# Altium PCB Battery_ECU.PcbDoc
Units mil, origin at the board's own origin, x right, y up, seen from the top; angles counter-clockwise.
Board outline 2290 x 1900 mil, 2 copper layers (Top Layer, Bottom Layer); 23 components, 27 nets, 115 pads, 0 vias.
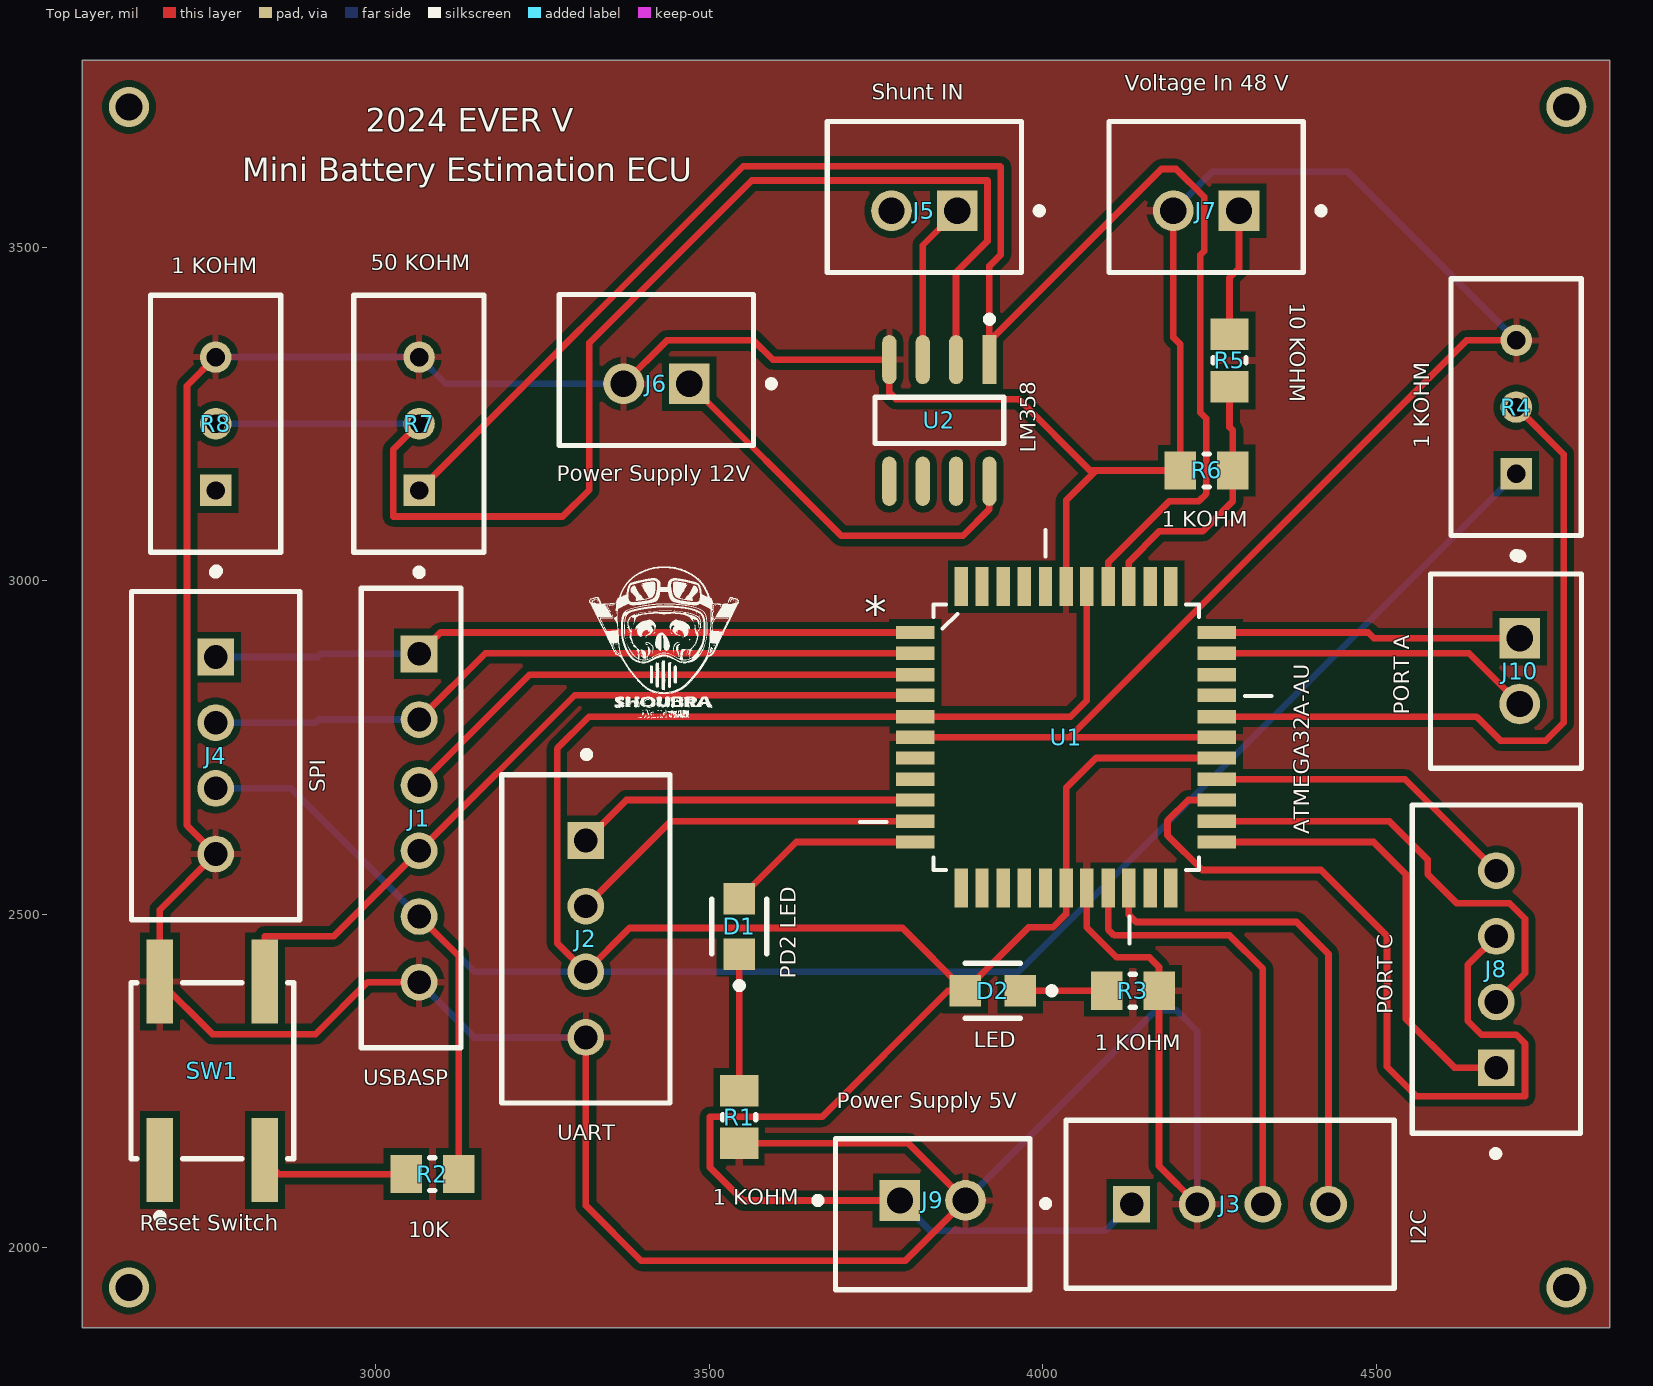
[diagram p0: Top Layer view]
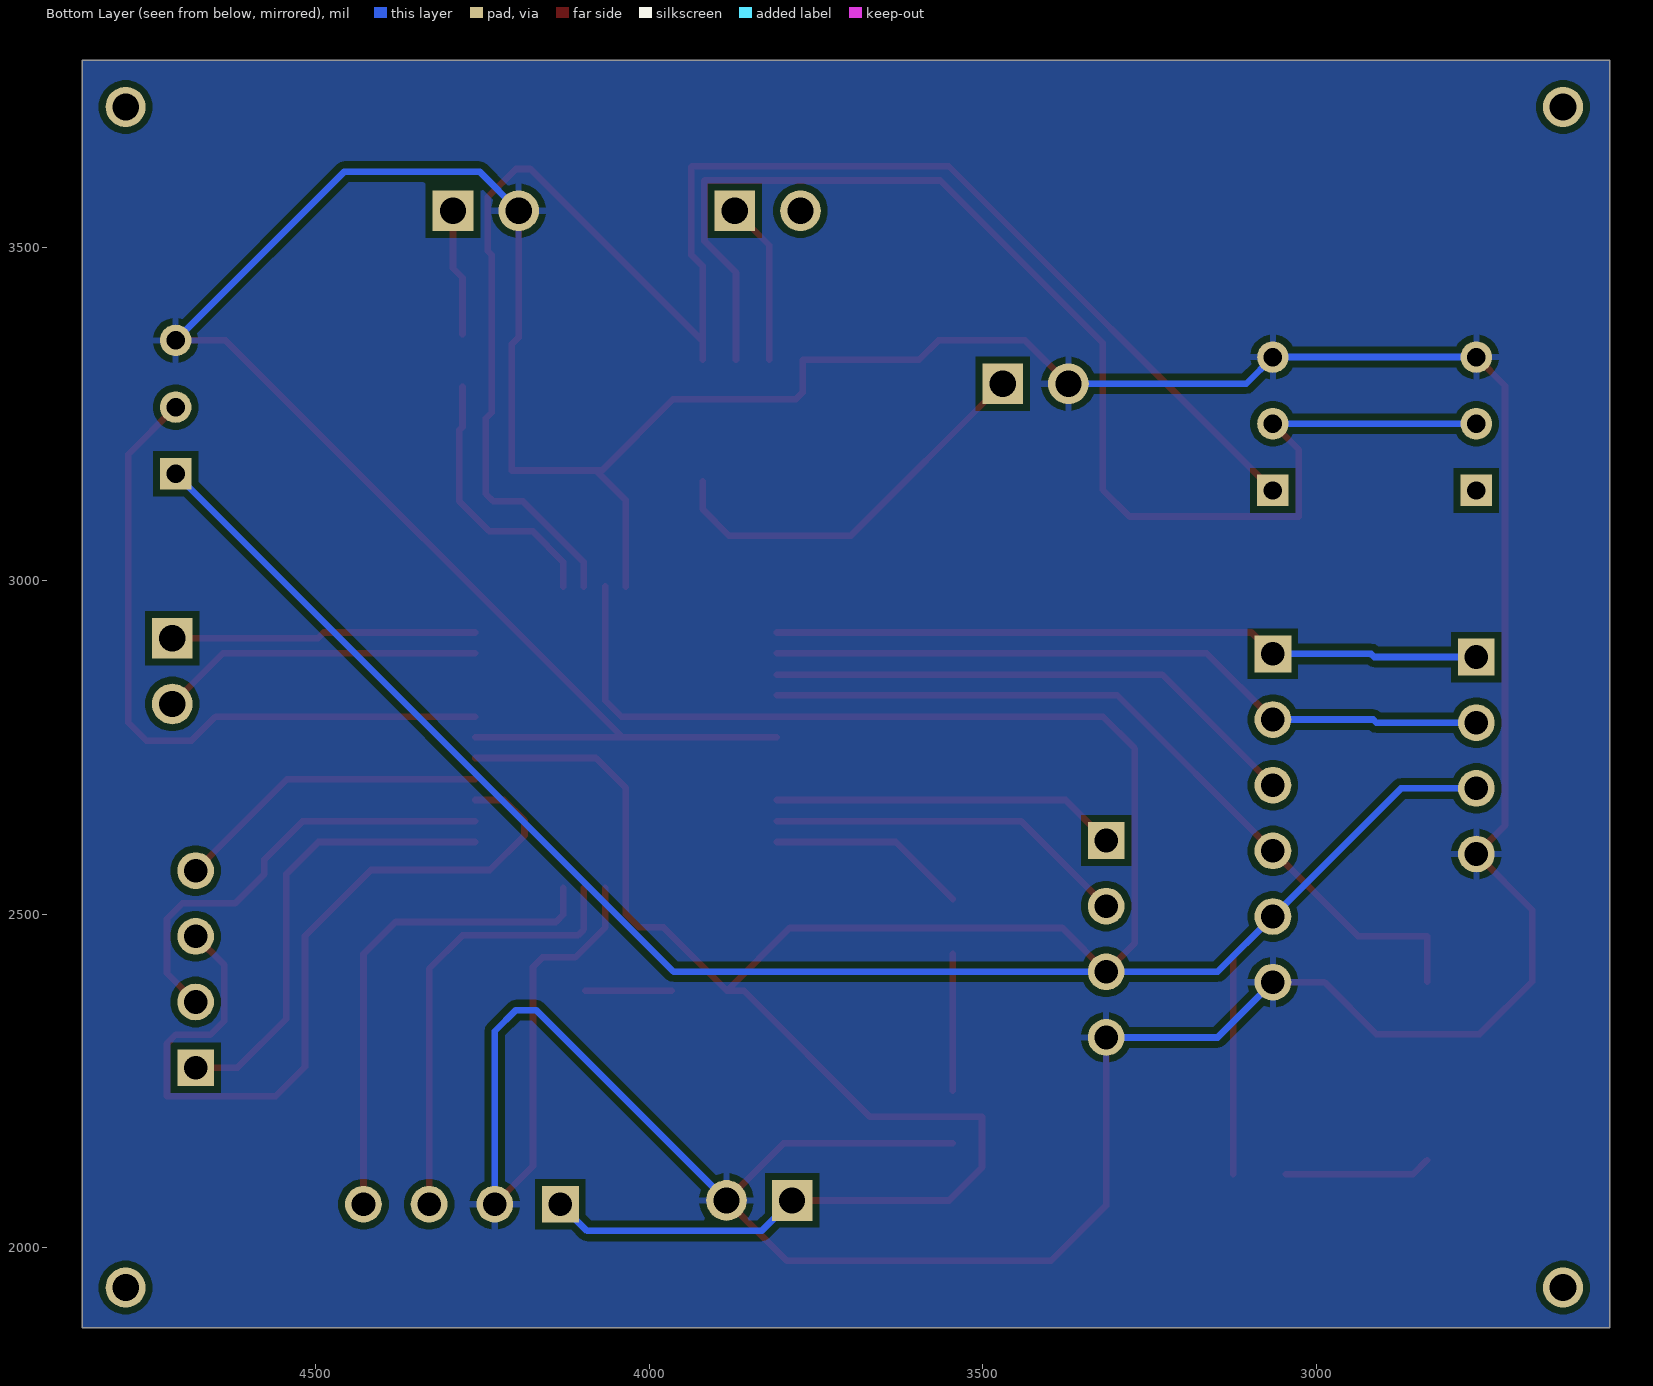
[diagram p1: Bottom Layer view, seen from below]
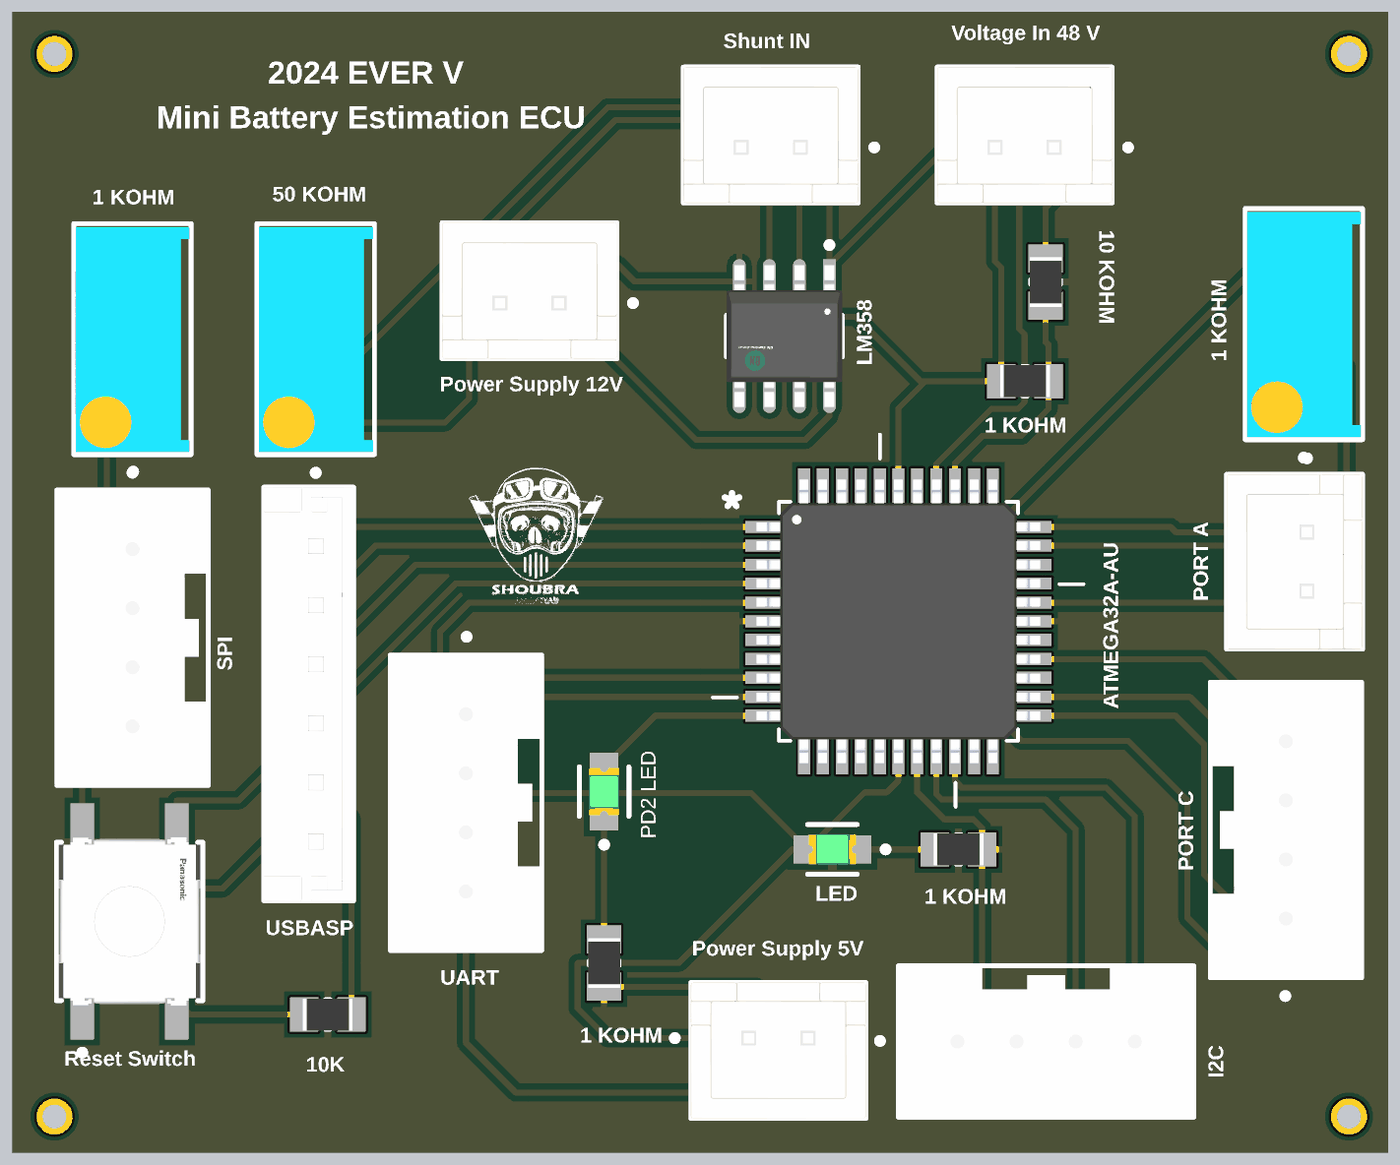
[diagram p2: 3D render of the assembled board from above, using the file's embedded part models]

## Layer stack, top to bottom
Top Solder: solder mask 0.4, Solder Resist, Dk 3.5
Top Layer: signal copper 1.4
Dielectric 1: dielectric 12.6, FR-4, Dk 4.8
Bottom Layer: signal copper 1.4
Bottom Solder: solder mask 0.4, Solder Resist, Dk 3.5

## Board outline
2560,1880 4850,1880 4850,3780 2560,3780

## Design rules (kind name [scope] priority, off if disabled: settings)
Clearance [All] p1: gap=10 ignorepadtopadclearanceinfootprint=FALSE except(0: Arc-Hole Track-Hole SMDPad-Hole THPad-Hole Via-Hole Fill-Hole Poly-Hole Region-Hole Text-Hole)
PolygonConnect [All] p1: connectstyle=Relief reliefconductorwidth=10 reliefentries=4 polygonreliefangle="90 Angle" airgapwidth=10
RoutingVias [All] p1: holewidth=28 width=50 viastyle="Through Hole" minholewidth=28 minwidth=50 maxholewidth=28 maxwidth=50
SolderMaskExpansion [All] p1: expansion=4 istentingtop=FALSE
Width [All] p1: maxlimit=15 minlimit=10 preferedwidth=10
30 further rules are at their usual default settings.

## Components (designator, comment, footprint, x,y, rotation, side; value= is the part's Value field where it differs from the comment)
D1 "LED" FP-LTST-C171GKT-MFG 3545,2481.34 r90 top
D2 "PD2 LED" FP-LTST-C171GKT-MFG 3925,2385 r180 top
J1 "USBASP" FP-B6B-EH-A_LF_SN-MFG 3053.19,2643.94 r270 top
J2 "UART" FP-B04B-XASK-1_LF_SN-MFG 3315,2462.64 r90 top
J3 "I2C" FP-B04B-XASK-1_LF_SN-MFG 4280.79,2065 r180 top
J4 "SPI" FP-B04B-XASK-1_LF_SN-MFG 2760,2737.64 r90 top
J5 "Shunt IN" FP-B2B-XH-A_LF_SN-MFG 3822.5,3575 r180 top
J6 "Power Supply 12V" FP-B2B-XH-A_LF_SN-MFG 3420.79,3315.67 r180 top
J7 "Voltage In 48 V" FP-B2B-XH-A_LF_SN-MFG 4245,3575 r180 top
J8 "PORT C" FP-B04B-XASK-1_LF_SN-MFG 4680,2417.36 r270 top
J9 "Power Supply 5V" FP-B2B-XH-A_LF_SN-MFG 3835,2050 r0 top
J10 "PORT A" FP-B2B-XH-A_LF_SN-MFG 4694.33,2864.21 r270 top
R1 "1 KOHM" RESC2013X60X35ML10T20 3545,2195.63 r270 top
R2 "10K" RESC2013X60X35ML10T20 3085,2110 r0 top
R3 "1 KOHM" RESC2013X60X35ML10T20 4135,2385 r0 top
R4 "1 KOHM" FP-3296W-MFG 4709.8,3260 r270 top value=500kΩ
R5 "10 KOHM" RESC2013X60X35ML10T20 4280,3330 r90 top
R6 "1 KOHM" RESC2013X60X35ML10T20 4245.63,3165 r0 top
R7 "50 KOHM" FP-3296W-MFG 3064.8,3235 r270 top value=500kΩ
R8 "1 KOHM" FP-3296W-MFG 2759.8,3235 r270 top value=500kΩ
SW1 "Reset Switch" FP-EVQQ2Y02W-MFG 2755,2265 r270 top
U1 "ATMEGA32A-AU" QFP80P1200X1200X120-44N 4035,2765 r0 top
U2 "LM358" FP-751-07-IPC_C 3845,3240 r270 top

## Footprints (in the part's own frame and the unit in brackets; to place one, negate y for a bottom-side part, rotate by r counter-clockwise, add the part's x,y. Pads: shape width x height; smd on the part's side, far side on the other; paste and mask are expansions set on the pad)
FP-751-07-IPC_C [mil]
  rect 73.78x21.39 smd paste+0 mask+0: 1(-91.18,75)
  rrect100% 73.78x21.39 smd paste+0 mask+0: 2(-91.18,25) 3(-91.18,-25) 4(-91.18,-75) 5(91.18,-75) 6(91.18,-25) 7(91.18,25) 8(91.18,75)
  silkscreen extent -157,-96 35,96, body extent -132,-100 132,100, height 10
FP-3296W-MFG [mm]
  rect 1.2x1.2 hole 0.7 paste-1000 mask+0: 1(2.54,0.005)
  round 1.2 hole 0.7 paste-1000 mask+0: 2(0,0.005) 3(-2.54,0.005)
  silkscreen extent -4.89,-2.48 5.77,2.48, body extent -4.99,-2.58 4.99,2.58, height 0.25
FP-B2B-XH-A_LF_SN-MFG [mm]
  rect 1.55x1.55 hole 1 paste-1000 mask+0: 1(-1.25,0.525)
  round 1.55 hole 1 paste-1000 mask+0: 2(1.25,0.525)
  silkscreen extent -4.5,-2.88 3.7,2.87, body extent -3.8,-2.98 3.8,2.98, height 0.25
FP-B04B-XASK-1_LF_SN-MFG [mm]
  rect 1.4x1.4 hole 0.9 paste-1000 mask+0: 1(3.75,0)
  round 1.4 hole 0.9 paste-1000 mask+0: 2(1.25,0) 3(-1.25,0) 4(-3.75,0)
  silkscreen extent -6.25,-3.2 7.15,3.2, body extent -6.35,-3.3 6.35,3.3, height 0.25
FP-B6B-EH-A_LF_SN-MFG [mm]
  rect 1.4x1.4 hole 0.9 paste-1000 mask+0: 1(-6.25,0.3)
  round 1.4 hole 0.9 paste-1000 mask+0: 2(-3.75,0.3) 3(-1.25,0.3) 4(1.25,0.3) 5(3.75,0.3) 6(6.25,0.3)
  silkscreen extent -9.47,-1.9 8.75,1.9, body extent -8.85,-2 8.85,2, height 0.25
FP-EVQQ2Y02W-MFG [mm]
  rect 3.2x1 smd paste+0 mask+0: A(3.4,-2) A'(-3.4,-2) B(3.4,2) B'(-3.4,2)
  silkscreen extent -3.35,-3.1 5.67,3.1, body extent -5.1,-3.2 5.1,3.2, height 0.25
FP-LTST-C171GKT-MFG [mm]
  rect 1.2x1.2 smd paste+0 mask+0: 1(-1.05,0) 2(1.05,0)
  silkscreen extent -2.37,-1.05 1.05,1.05, body extent -1.75,-0.77 1.75,0.77, height 0.25
QFP80P1200X1200X120-44N [mil]
  rect 58x20 smd: 1(-226,157) 2(-226,126) 3(-226,94) 4(-226,63) 5(-226,31) 6(-226,0) 7(-226,-31) 8(-226,-63) 9(-226,-94) 10(-226,-126) 11(-226,-157) 23(226,-157) 24(226,-126) 25(226,-94) 26(226,-63) 27(226,-31) 28(226,0) 29(226,31) 30(226,63) 31(226,94) 32(226,126) 33(226,157)
  rect 20x58 smd: 12(-157,-226) 13(-126,-226) 14(-94,-226) 15(-63,-226) 16(-31,-226) 17(0,-226) 18(31,-226) 19(63,-226) 20(94,-226) 21(126,-226) 22(157,-226) 34(157,226) 35(126,226) 36(94,226) 37(63,226) 38(31,226) 39(0,226) 40(-31,226) 41(-63,226) 42(-94,226) 43(-126,226) 44(-157,226)
  silkscreen extent -309,-309 308,311, body extent -236,-236 236,236, height 47
RESC2013X60X35ML10T20 [mm] "Chip Resistor, 2-Leads, Body 2.1x1.35mm, IPC Low Density"
  rect 1.2x1.45 smd: 1(-1,0) 2(1,0)
  silkscreen extent -0.1,-0.62 0.1,0.62, body extent -1.05,-0.68 1.05,0.67, height 0.6

## Part data
D1 D2: library part CMP-22017-000007-1, "LED GREEN CLEAR CHIP SMD", Case Code (Imperial)=0805, Case Code (Metric)=2012, Color=Green, Forward Current=30mA, Forward Voltage=2.1V, Lens Color=Colorless, Max Operating Temperature=85°C, Min Operating Temperature=-55°C, Package Quantity=1, Power Dissipation=100mW, Reverse Voltage=5V, Test Current=10mA, Case/Package=0805, Depth=1.25mm, Dominant Wavelength=569nm, Height=0.8mm, Illumination Color=Green, Lead Free="Lead Free", Length=2mm, Lens Style=Diffused, Lens Transparency=Clear, Luminous Intensity=12mcd, Mount="Surface Mount", Number of Elements=1, Number of LEDs=1, Number of Pins=2, Packaging="Tape and Reel", Power Rating=100mW, Radiation Hardening=No, Viewing Angle=130°, Wavelength=585nm, Width=1.25mm
J1: library part CMP-17439-000293-1, "CONN HEADER VERT 6POS 2.5MM", Color=Natural, Current Rating=3A, Flammability Rating="UL94 V-0", Housing Color=White, Voltage Rating=250V, Connector Type=Header, Contact Finish - Mating=TIN, Contact Material=Brass, Contact Mating Length=0.13inch, Contact Plating=Tin, Contact Shape=Square, Contact Type="Male Pin", Fastening Type=Friction, Gender=Male, Insulation Color=Natural, Insulation Material=Nylon, Lead Free="Lead Free", Mated Stacking Heights=8.1mm, Mount="Through Hole", Number of Contacts=6, Number of Positions=6, Number of Rows=1, Orientation=Straight, Packaging=Bulk, Pitch=2.5mm, Series=EH, Termination=Solder
J2 J3 J4 J8: library part CMP-17439-000018-1, "CONN HEADER VERT 4POS 2.5MM", Current Rating=3A, Manufacturer=JST, Manufacturer Part Number=B04B-XASK-1(LF)(SN), Temperature="-25°C to +85°C", Temperature Range High=+85°C, Temperature Range Low=-25°C, Voltage Rating=250V, Automotive=No, Category=Conn, ComponentLink2Description=Datasheet, ComponentLink2URL=http://www.jst-mfg.com/product/pdf/eng/eXA1.pdf, Conn Gender=Male, Conn Orientation=Straight, Contact Material=Tin,Copper, Device Class L1=Connectors, Device Class L2="Headers and Wire Housings", Device Class L3=unset, Digikey Description="CONN HEADER VERT 4POS 2.5MM", Height=8.8mm, Lead Free=Yes, Number of Contacts=4, Number of Rows=1, Octopart=https://octopart.com/b04b-xask-1%28lf%29%28sn%29-jst-3990149, Package=B04B-XASK-1(LF)(SN), Pitch=2.5mm, RoHS=TRUE
J5 J6 J7 J9 J10: library part CMP-2000-05888-3, "CONN HEADER VERT 2POS 2.5MM", Color=Natural, Contact Resistance=20mR, Current Rating=3A, Housing Color=White, Insulation Resistance=1GR, Max Operating Temperature=85°C, Max Voltage Rating (AC)=250V, Min Operating Temperature=-25°C, Connector Type="Male Pin", Contact Material=Brass, Contact Plating=Tin, Contact Type="Male Pin", Depth=5.75mm, Fastening Type=Detent, Housing Material=Polyamide, Lead Free="Lead Free", Lead Pitch=2.5mm, Length=7.4mm, Max Current Rating=3A, Max Voltage Rating (DC)=250V, Mount="Through Hole", Number of Contacts=2, Number of Positions=2, Number of Rows=1, Orientation=Straight, Packaging=Bulk, Pitch=2.5mm, REACH SVHC="No SVHC", Series=XH, Termination=Solder, Voltage Rating=250V, Voltage Rating (AC)=250V, Wire/Cable Gauge=22AWG
R1 R2 R3 R5 R6: library part CMP-2100-03673-1, "Chip Resistor, 0 Ohm, Jumper, +/- 5%, 0.125 W, -55 to 155 degC, 0805 (2012 Metric), RoHS, Tape and Reel", Case Code (Imperial)=0805, Case Code (Metric)=2012, Manufacturer=Yageo, Max Operating Temperature=155degC, Min Operating Temperature=-55degC, Package Description="2-Pin Surface Mounted Device, Body 2 x 1.25 mm", Power Rating=125mW, Resistance=0mOhm, Temperature Coefficient=200ppm/degreesC, Tolerance=5%, Voltage Rating=150V, Case/Package=0805, Composition=ThickFilm, Contact Plating=Tin, Datasheet URL=http://www.yageo.com/NewPortal/yageodocoutput?fileName=/pdf/R-Chip/PYu-RC_Group_51_RoHS_L_5.pdf, Datasheet Version="Rev. 5, 10/2016", Depth=1.25mm, Height=0.5mm, Lead Free=LeadFree, Length=2mm, Manufacturer URL=http://www.yageo.com/, Military Standard=Not, Number of Pins=2, Package Reference=0805, Packaging=TapeandReel, Radiation Hardening=No, REACH SVHC=Unknown, RoHSCompliant=true, Termination=SMD/SMT, Voltage Rating (DC)=150V, Width=1.25mm
R4 R7 R8: library part CMP-2000-05583-2, "TRIMMER 500K OHM 0.5W PC PIN TOP", Manufacturer=Bourns, Manufacturer Part Number=3296W-1-504LF, Package=3296W, Power Rating=0.5W, Resistance=500kΩ, Temperature="-55°C to +125°C", Temperature Coefficient=100ppm/°C, Temperature Range High=+125°C, Temperature Range Low=-55°C, Tolerance=10%, Voltage Rating=300V, Automotive=No, Category=Res, ComponentLink2Description=Datasheet, ComponentLink2URL=https://www.bourns.com/docs/Product-Datasheets/3296.pdf, Device Class L1="Passive Components", Device Class L2=Resistors, Device Class L3="Variable Resistors and Potentiometers", Digikey Description="TRIMMER 500K OHM 0.5W PC PIN TOP", Height=12.05mm, Lead Free=Yes, Mouser Description="Trimmer; Cermet; Rest 500 Kilohms; PCB; 25 Turns; Pwr-Rtg 0.5W", Octopart=https://octopart.com/3296w-1-504lf-bourns-143884, RoHS=TRUE, Series="Trimpot 3296-Sealed", Standoff Height=0.38mm
SW1: library part CMP-05618-000018-2, "SWITCH TACTILE SPST-NO 0.02A 15V", Case/Package=SMD/SMT, Color=White, Contact Current Rating=20mA, Contact Resistance=100mΩ, Max Operating Temperature=85°C, Max Voltage Rating (DC)=15V, Min Operating Temperature=-40°C, Operating Force=3.5N, Voltage Rating (AC)=250V, Actuator Length=700µm, Contact Plating=Silver, Current Rating=20mA, Electrical Life=100kcycles, Height=2.5mm, Illumination Type="Illuminated, Non-Illuminated", Lead Free="Lead Free", Length=6.5mm, Mechanical Life=100kcycles, Mount="Surface Mount", NexarPartId=47192941, Number of Positions=2, Orientation=Straight, Radiation Hardening=No, REACH SVHC=Unknown, RoHS=Compliant, Switch Function=Off-Mom, Switch Travel=250µm, Termination=SMD/SMT, Thickness=1.8mm, Throw Configuration=SPST, Voltage Rating (DC)=15V, Width=6mm
U1: "AVR AVRÂ® ATmega Microcontroller IC 8-Bit 16MHz 32KB (16K x 16) FLASH 44-TQFP (10x10)", Package="TQFP-44 Microchip", Check_prices=https://www.snapeda.com/parts/ATMEGA32A-AU/Microchip/view-part/?ref=eda, MF=Microchip, MP=ATMEGA32A-AU, SnapEDA_Link=https://www.snapeda.com/parts/ATMEGA32A-AU/Microchip/view-part/?ref=snap
U2: library part CMP-1310-00291-2, "IC OPAMP GP 2 CIRCUIT 8SOIC", Case/Package=SOIC, Dual Supply Voltage=9V, Input Bias Current=250nA, Input Offset Voltage (Vos)=7mV, Max Dual Supply Voltage=16V, Max Operating Temperature=70°C, Max Supply Voltage=32V, Min Dual Supply Voltage=1.5V, Min Operating Temperature=0°C, Min Supply Voltage=3V, Nominal Supply Current=1.2mA, Operating Supply Current=1.5mA, Output Current=40mA, Package Quantity=2500, Power Supply Rejection Ratio (PSRR)=65dB, Voltage Gain=100dB, Bandwidth=1MHz, Common Mode Rejection Ratio=65dB, Contact Plating=Tin, Gain Bandwidth Product=1MHz, Halogen Free="Halogen Free", Height=1.5mm, Lead Free="Lead Free", Length=5mm, Number of Amplifiers=2, Number of Channels=2, Number of Circuits=2, Number of Elements=2, Number of Pins=8, Operating Supply Voltage=16V, Output Current per Channel=40mA, Packaging="Tape and Reel", Radiation Hardening=No, REACH SVHC="No SVHC", Slew Rate=0.6V/µs, Width=4mm

## Free pads (board coordinates)
  round 60 hole 40: 18(4785,3710) 19(4785,1940) 20(2630,1940) 21(2630,3710)

## Nets (pads, with @x,y where several pads share a name; then routed paths per layer and width w, separated by ;. In a path a pad name is that pad's centre, name@x,y a point inside that pad or via, vN(x,y) a via of type N, cw(c..) or ccw(c..) an arc to the next point about the centre after c; other vN are vias at no path point)
+5: D2.2 J1.5 J2.3 J3.1 J4.3 J9.1 R2.2 R4.1 U1.5 U1.17 U1.27 U1.38 | length 6623.6
  Top Layer w10: J1.5 3124.37,2436.93 R2.2 ; J9.1 3550.33,2070.67 3501,2120 3501,2196 3669,2196 3858,2385 D2.2 ; U1.38 4066,2820 4042,2796 U1.5 3320,2796 3272,2748 3272,2456.43 J2.3 3380.57,2479 3789.66,2479 D2.2 ; U1.27 4080,2734 4035,2689 U1.17 4035,2500 4015,2480 3978.66,2480 D2.2
  Bottom Layer w10: J4.3 2872.87,2688.43 J1.5 3147.87,2413.43 J2.3 3963.43,2413.43 R4.1 ; J9.1 3831.46,2025 4093.15,2025 J3.1
+12: J6.1 U2.8 | length 602.8
  Top Layer w10: J6.1 3698,3067 3880,3067 3920,3107 U2.8
+48: J7.1 R5.2 | length 190.8
  Top Layer w10: R5.2 4280,3454 4294.21,3468.21 J7.1
Current_Reading: R7.1 U1.37 U2.1 | length 2492.9
  Top Layer w10: R7.1 3551,3621 3936.07,3621 3937.22,3619.84 3937.22,3488.82 3920,3471.59 U2.1@3920,3359 ; U2.1 U2.1@3920,3359 ; U1.37 4098,3027 4190,3119 4234,3119 4245,3130 4245,3243 4236,3252 4236,3488 4242,3494 4242,3575 4200,3617 4178,3617 U2.1@3920,3359
GND: J1.6 J2.4 J3.2 J4.4 J6.2 J7.2 J9.2 R1.2 R3.2 R4.3 R6.1 R7.3 R8.3 SW1.A' U1.6 U1.18 U1.28 U1.39 U2.4 | length 8519
  Top Layer w10: R8.3 2717,3292 2717,2633 J4.4 2676.26,2506.26 SW1.A' 2755.12,2320 2910,2320 2987.87,2397.87 J1.6 ; J2.4 3315,2063 3398,1980 3793.54,1980 J9.2 3798.62,2156.26 R1.2 ; J6.2 3436.57,3360 3566.57,3360 3595.57,3331 U2.4@3770,3331 ; U2.4 U2.4@3770,3331 ; U1.6 4035,2765 4040,2765 ; U1.39 4035,3120 4080,3165 ; U1.18 4066,2480 4111,2435 4160,2435 4174.37,2420.63 R3.2 4174.37,2122.2 J3.2 ; J7.2 4195.79,3364.47 4206.26,3354 R6.1 4080,3165 ; U1.28 4040,2765 ; R4.3 4635,3360 4040,2765 ; U2.4@3770,3331 3770,3282 3780,3272 3964,3272 4071,3165 4080,3165
  Bottom Layer w10: R8.3 R7.3 3105,3295 J6.2 ; J1.6 3147.87,2315 J2.4 ; J9.2 4169.51,2355.97 4200,2355.97 4231.57,2324.39 J3.2 ; J7.2 4254.46,3613 4457,3613 R4.3
MISO: J1.2 J4.2 U1.2 | length 1092.1
  Top Layer w10: J1.2 3164.43,2891 U1.2
  Bottom Layer w10: J4.2 2910,2786.85 2914.72,2791.57 J1.2
MOSI: J1.1 J4.1 U1.1 | length 1064.2
  Top Layer w10: J1.1 3097,2922 U1.1
  Bottom Layer w10: J4.1 2913,2885.28 2917.72,2890 J1.1
NetD1_1: D1.1 R1.1 | length 205
  Top Layer w10: R1.1 D1.1
NetD2_1: D2.1 R3.1 | length 129.3
  Top Layer w10: D2.1 R3.1
NetR2_1: R2.1 SW1.B | length 220.6
  Top Layer w10: SW1.B 2854.88,2110 R2.1
NetR4_2: R4.2 U1.29 | length 1048.5
  Top Layer w10: U1.29 4650,2796 4686,2760 4754,2760 4781,2787 4781,3189 R4.2
NetR7_2: R7.2 R8.2 U2.2 | length 1977.3
  Top Layer w10: R7.2 3026,3196 3026,3096 3280,3096 3320,3136 3320,3356.23 3563.61,3599.84 3917.22,3599.84 3917.22,3508.82 3870,3461.59 U2.2
  Bottom Layer w10: R8.2 R7.2
PA4: J10.1 U1.33 | length 457.6
  Top Layer w10: U1.33 4488,2922 4496.57,2913.43 J10.1
PA5: J10.2 U1.32 | length 485.5
  Top Layer w10: U1.32 4639,2891 J10.2
PC4: J8.1 U1.23 | length 686.2
  Top Layer w10: U1.23 4496,2608 4544,2560 4544,2343 4617.28,2269.72 J8.1
PC5: J8.2 U1.24 | length 678
  Top Layer w10: U1.24 4520,2639 4577,2582 4577,2560 4621,2516 4700,2516 4723,2493 4723,2411.15 J8.2
PC6: J8.3 U1.25 | length 1245.1
  Top Layer w10: U1.25 4218,2671 4187,2640 4187,2618 4239,2566 4417,2566 4516,2467 4516,2271 4560,2227 4723,2227 4723,2306 4710,2319 4658,2319 4637,2340 4637,2423.57 J8.3
PC7: J8.4 U1.26 | length 475.7
  Top Layer w10: U1.26 4543,2702 J8.4
PD2: D1.2 U1.11 | length 299.3
  Top Layer w10: D1.2 3630.32,2608 U1.11
Reset: J1.4 SW1.B' U1.4 | length 1192.6
  Top Layer w10: SW1.B' 2833.74,2466.48 2936.76,2466.48 J1.4 3298.28,2828 U1.4
RX: J2.1 U1.9 | length 519.2
  Top Layer w10: J2.1 3375.72,2671 U1.9
SCK: J1.3 U1.3 | length 812.7
  Top Layer w10: J1.3 3230.85,2859 U1.3
SCL: J3.3 U1.19 | length 671.4
  Top Layer w10: U1.19 4098,2477 4107,2468 4280,2468 4330,2418 J3.3
SDA: J3.4 U1.20 | length 738.9
  Top Layer w10: U1.20 4129,2499 4140,2488 4380.43,2488 4428.43,2440 J3.4
Shunt: J5.1 U2.3 | length 244.6
  Top Layer w10: U2.3 3820,3502.62 J5.1
TX: J2.2 U1.10 | length 546.7
  Top Layer w10: J2.2 3442.15,2639 U1.10
Voltage_Reading: R5.1 R6.2 U1.36 | length 404.4
  Top Layer w10: U1.36 4129,3028 4175,3074 4240,3074 4285,3119 R6.2 4285,3225 4280,3230 R5.1
pads on no net: J5.2 R8.1 SW1.A U1.7 U1.8 U1.12 U1.13 U1.14 U1.15 U1.16 U1.21 U1.22 U1.30 U1.31 U1.34 U1.35 U1.40 U1.41 U1.42 U1.43 U1.44 U2.5 U2.6 U2.7

## Polygon pours and split planes (outlines as drawn)
GND on Top Layer "GND_L01_P000" (solid, remove dead copper, pour order 0): 2560,1880 4850,1880 4850,3780 2560,3780
GND on Bottom Layer "GND_L02_P001" (solid, remove dead copper, pour order 1): 2560,1880 4850,1880 4850,3780 2560,3780

## Silkscreen, mask and mechanical layers (free items; w line width, h text height)
Top Overlay:
  drawing of 701 lines, arcs and shapes, not listed
  text "2024 EVER V" at 2985,3660.72 h60
  text "Mini Battery Estimation ECU" at 2800,3586.32 h60

## Text inside footprints (layer, text, board x,y; h text height)
U1: Top Overlay "*" at 3732,2928 h50; Top 3D Body "*" at 3732,2928 h50